# Altium PCB CL-HC-M-V2.1.PcbDoc (part 5 of 19) (continued)
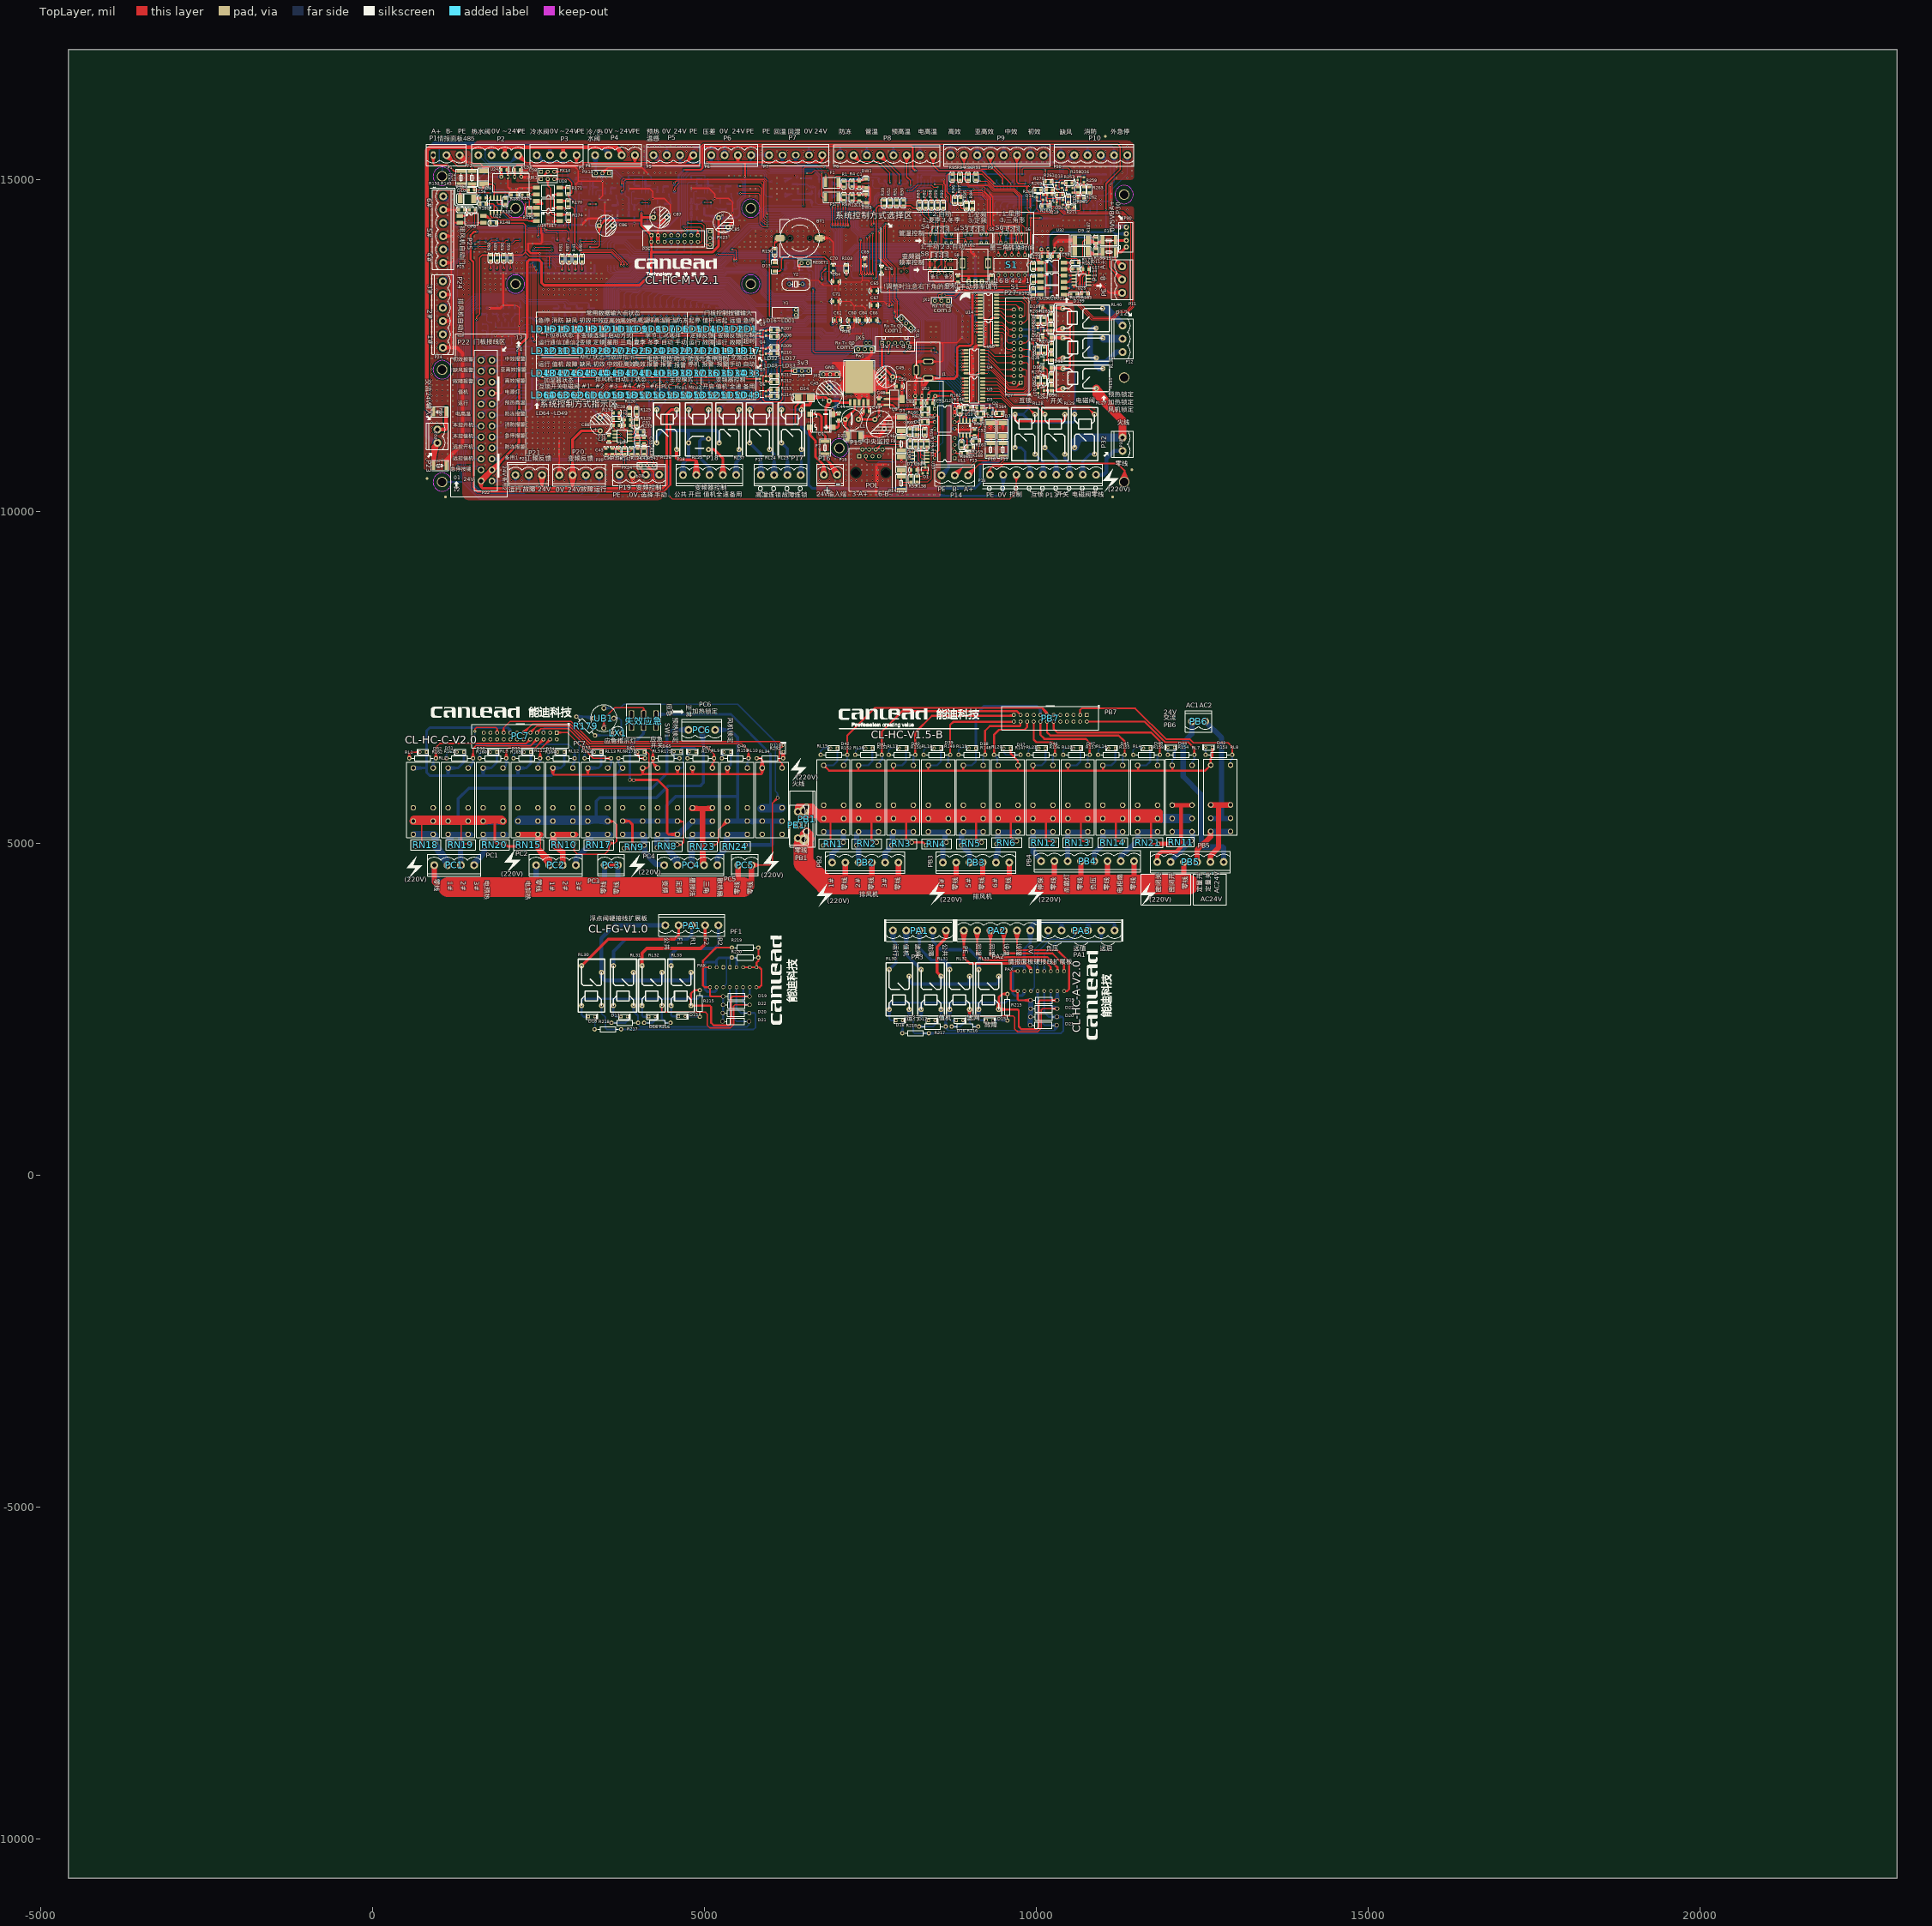
[diagram p0: TopLayer view]
## Nets (pads, with @x,y where several pads share a name; then routed paths per layer and width w, separated by ;. In a path a pad name is that pad's centre, name@x,y a point inside that pad or via, vN(x,y) a via of type N, cw(c..) or ccw(c..) an arc to the next point about the centre after c; other vN are vias at no path point) (continued)
3V<-远值使能: OP6.10 R152.1@1650.89,12557.35 U2.3 | length 1500
  BottomLayer w10: R152.1@1636.05,12550.1 1650.89,12502.35 ; R152.1@1650.89,12552.35 1650.89,12502.35 ; R152.1@1650.89,12557.35 1650.89,12495.44 1683.06,12463.27 1984.24,12463.27 2023.79,12502.81 2083.1,12502.81 2097.06,12516.78 ; R152.1@1665.72,12550.1 1650.89,12502.35 ; OP6.10@2089.4,12549.35 2097.06,12516.78 ; OP6.10@2089.43,12611.27 2099.37,12655.16 ; OP6.10@2097.06,12598.36 2097.06,12516.78 ; OP6.10@2099.37,12550.16 2097.06,12516.78 ; OP6.10@2099.37,12580.16 2099.37,12659.03 2116.35,12676.01 2266.15,12676.01 2273.79,12668.36 2362.38,12668.36 U2.3@2362.38,12670.5 ; OP6.10@2099.37,12610.16 2099.37,12655.16 ; OP6.10@2109.13,12547.98 2097.06,12516.78 ; OP6.10@2109.31,12611.27 2099.37,12655.16 ; U2.3@2335.79,12680.37 2292.36,12668.36 ; U2.3@2336.74,12660.52 2292.36,12668.36 ; U2.3@2337.38,12670.5 2292.36,12668.36
3V<-远起使能: OP6.12 R151.1@1648.79,12634.75 U2.4 | length 1643.6
  BottomLayer w10: R151.1@1648.79,12634.75 1693.07,12634.75 ; R151.1@1651.33,12619.96 1693.07,12634.75 ; R151.1@1651.33,12649.53 1693.07,12634.75 ; OP6.12@1989.39,12549.44 1997.45,12507.19 ; OP6.12@1989.39,12610.84 1997.45,12655.17 ; OP6.12@1989.5,12548.53 1997.06,12533.36 ; OP6.12@1997.06,12598.36 1997.06,12533.36 ; OP6.12@1999.37,12610.16 1997.45,12655.17 ; OP6.12@2008.43,12545.93 1997.06,12533.36 ; OP6.12@2009.24,12548.55 1997.45,12507.19 ; OP6.12@2009.25,12611.69 1997.45,12655.17 ; U2.4@2335.8,12730.37 2292.35,12718.36 ; U2.4@2336.74,12710.52 2292.35,12718.36 ; U2.4@2337.38,12720.5 2292.35,12718.36 ; U2.4@2362.38,12720.5 2362.38,12718.36 2251.26,12718.36 2227.53,12694.64 2016.59,12694.64 1997.45,12675.49 1997.45,12507.19 ; 1693.07,12634.75 1698.67,12629.14 1698.67,12520.36 1737.76,12481.27 1971.52,12481.27 1997.45,12507.19 ; 1997.06,12533.36 1999.37,12550.16 1997.45,12507.19
10V-面板-温度输入: F6.1 P26.16 PA2.2 PAX.16@10420.16,2775.27 | length 4940.7
  TopLayer w15: v1(4682.86,14286.91) 4934.06,14286.91 4967.71,14253.26 4967.71,14076.58 4954.24,14063.1 ; P26.16@4901.86,14063.1 4954.24,14063.1 ; P26.16@4906.5,14041.56 4954.24,14063.1 ; P26.16@4906.5,14084.63 4954.24,14063.1
  TopLayer w30: PA2.2@9667.11,3680.36 9710.68,3537.81 PA2.2@9754.26,3680.36 ; PA2.2@9710.68,3686.87 9710.68,3417.63 9736.41,3391.9 10319.23,3391.9 10496.09,3215.03 10496.09,2803.92 10467.45,2775.27 PAX.16@10420.16,2775.27
  BottomLayer w15: v1(4682.86,14286.91) 4682.86,15044.12 4762.09,15123.35 5893.76,15123.35 5934.86,15082.26 5934.86,15003.83 5964.73,14973.96 ; F6.1@6020.38,14957.99 5964.73,14973.96 ; F6.1@6020.38,14989.92 5964.73,14973.96 ; F6.1@6022.63,14973.96 5964.73,14973.96
10V-面板-湿度输入: F2.1 P26.15 PA2.3 PAX.15@10420.16,3075.27 | length 4661.6
  TopLayer w15: v1(4716.65,14252.06) 4885.98,14252.06 4901.86,14236.18 ; P26.15@4880.09,14166.42 4901.86,14236.18 ; P26.15@4901.86,14163.1 4901.86,14236.18 ; P26.15@4923.64,14166.42 4901.86,14236.18
  TopLayer w30: PA2.3@9467.11,3680.36 9510.68,3537.81 PA2.3@9554.26,3680.36 ; PA2.3@9510.68,3686.87 9510.68,3391.9 9559.93,3342.66 10243.94,3342.66 10420.16,3166.44 PAX.15@10420.16,3075.27
  BottomLayer w15: v1(4716.65,14252.06) 4716.65,15023.7 4791.3,15098.35 5884.34,15098.35 5908.12,15074.58 5908.12,14780.87 5942.23,14746.76 F2.1@6022.63,14746.76 ; F2.1@6020.74,14730.75 5954.01,14746.76 F2.1@6020.74,14762.77
24V: C19.2 C20.2 C37.2 C39.2 C44.1 C45.1 C85.1 C86.1 C87.1 C88.1 D1.3 D14.A D15.A D16.A D17.A D18.A D19.K D20.K D21.K D22.K D37.A D38.A D39.A D40.A D41.A D42.A D43.A D44.A D45.A D46.A D47.A D48.A D49.A D50.A D51.A D52.A D53.A D54.A D55.A D61.A D65.A D67.A D95.K D97.K D109.K P5.2 P6.2 P7.1 P20.3 P21.3 P22.22 P22.23 P26.1 P26.2 P27.15 pad.0@2209.06,11519.1 pad.0@12052.46,6167.9 PAX.1 PAX.2 PB7.15 PC7.15 Pw1.1 R219.2 R264.1 R272.1 R285.1 R292.1 RL1.1 RL2.1 RL3.1 RL4.1 RL5.2 RL6.2 RL7.1 RL8.1 RL9.1 RL10.1 RL11.1 RL12.1 RL13.1 RL14.1 RL15.1 RL16.1 RL17.1 RL18.1 RL19.1 RL20.2 RL21.1 RL22.1 RL23.1 RL24.1 RL25.1 RL26.1 RL27.2 RL28.2 RL29.1 RL30.1 RL31.1 RL32.1 RL33.1 RL34.2 RL35.1 RL36.1 RL37.1 RL40.1 U1.8 U3.9 U4.9 U5.8 U6.8 U7.8 U8.9 U14.9 U15.9 U25.9 U26.9 U27.9 | length 103256.9
  TopLayer w15: C88.1@3399.22,11210.96 3430.52,11132.61 ; C88.1@3413.73,11215.29 3430.52,11132.61 ; C88.1@3430.52,11216.98 3430.52,11078.68 3448.24,11060.96 C39.2@3560.43,11060.96 ; C88.1@3447.3,11215.29 3430.52,11132.61 ; 3452,11058.14 3649.97,11058.14 U7.8@3654.97,11063.14 ; C88.1@3461.81,11210.96 3430.52,11132.61 ; C39.2@3553.69,11073.34 3490.33,11058.14 ; C39.2@3554.23,11048.52 3490.43,11060.96 ; C39.2@3554.23,11073.4 3490.43,11060.96 ; C39.2@3554.77,11048.48 3490.33,11058.14 ; C39.2@3565.43,11060.96 U7.8@3630.51,11058.14 ; C39.2@3566.09,11048.48 U7.8@3630.51,11058.14 ; C39.2@3567.17,11073.34 U7.8@3630.51,11058.14 ; C39.2@3568.97,11072.91 U7.8@3626.97,11063.14 ; C39.2@3569.51,11060.78 U7.8@3626.97,11063.14 ; C39.2@3569.74,11058.14 U7.8@3626.97,11063.14 ; C39.2@3570.56,11049.15 U7.8@3626.97,11063.14 ; U3.9@9169.27,11659.99 9120.6,11659.99 ; U4.9@9169.27,12083.43 9120.84,12083.43 ; U3.9@9194.27,11659.99 9120.6,11659.99 ; U4.9@9219.27,12083.43 v1(9278.94,12083.43) ; 3490.33,11058.14 3555.43,11060.96 3490.43,11060.96 ; 9120.6,11659.99 9107.62,11672.97 9107.62,12070.2 9120.84,12083.43 ; 9120.84,12083.43 U4.9@9194.27,12083.43 v1(9278.94,12083.43) ; v1(9278.94,12083.43) 9221.44,12083.43 v1(9278.94,12083.43)
  TopLayer w20: v1(3277.81,13985.22) 3395.8,13985.22 3417.44,14006.86 C86.1@3417.44,14306.66 ; C86.1@3388.39,14302.32 3417.44,14207.29 C86.1@3446.49,14302.32 ; RL6.2@4069.48,6135.81 4141.38,6135.81 ; RL6.2@4070.37,6124.51 4141.38,6135.81 ; RL6.2@4070.37,6147.11 4141.38,6135.81 ; RL6.2@4076.31,6105.23 4141.38,6135.81 ; RL6.2@4076.31,6166.4 4141.38,6135.81 ; D61.A@4094.9,6375.37 4135.68,6375.37 ; D61.A@4097.18,6361.94 4135.68,6375.37 ; D61.A@4097.18,6388.8 4135.68,6375.37 ; RL5.2@4564.5,6130.3 4595.35,6046.69 ; RL5.2@4584.04,6135.09 4595.35,6046.69 ; 4592.71,6044.05 4595.35,6046.69 ; RL5.2@4595.35,6135.81 4595.35,6046.69 ; RL5.2@4606.67,6135.09 4595.35,6046.69 ; RL5.2@4626.2,6130.3 4595.35,6046.69 ; RL9.1@4790.37,6130.36 4821.23,6045.76 ; RL9.1@4809.91,6135.1 4821.23,6045.76 ; RL9.1@4821.23,6135.81 4821.23,6045.76 ; 4822.94,6044.05 4821.23,6045.76 ; RL9.1@4832.54,6135.1 4821.23,6045.76 ; RL9.1@4852.09,6130.36 4821.23,6045.76 ; 4135.68,6375.37 4163.57,6347.48 4163.57,6158 4141.38,6135.81
  TopLayer w30: RL12.1@2691.69,6131.87 2717.73,6047.81 ; RL12.1@2717.73,6135.81 2717.73,6047.81 ; RL12.1@2743.77,6131.87 2717.73,6047.81 ; RL13.1@3217.54,6131.99 3243.6,6045.04 ; RL13.1@3243.6,6135.81 3243.6,6045.04 ; RL13.1@3269.66,6131.99 3243.6,6045.04 ; RL6.2@4043.49,6131.54 4069.48,6054.5 ; RL6.2@4069.48,6135.81 4069.48,6054.5 ; RL6.2@4095.47,6131.54 4069.48,6054.5 ; v1@5036.55,15261.31 5494.51,15261.31 ; v1(5040.78,15259.91) 5143.33,15261.31 ; PAX.1@5084.49,3132.67 4995.81,3132.67 4980.73,3117.59 ; D19.K@5281.18,2693.58 5098.5,2693.58 5084.49,2707.59 PAX.2@5084.49,2832.67 5005.65,2832.67 4980.73,2857.59 4980.73,3117.59 ; RL10.1@5321.05,6131.95 5347.1,6045.88 ; RL10.1@5347.1,6135.81 5347.1,6045.88 ; RL10.1@5373.15,6131.95 5347.1,6045.88 ; R219.2@5414.9,3429.51 5176.52,3429.51 4980.73,3233.72 4980.73,3117.59 ; P6.2@5460.98,15359.52 5503.92,15270.72 ; P6.2@5503.92,15369.36 5503.92,15270.72 ; P6.2@5546.86,15359.52 5503.92,15270.72 ; v1(5610.86,15050.57) 5610.86,15259.44 5612.73,15261.31 ; R292.1@5790.99,6264.39 5844.92,6281.68 ; R292.1@5790.99,6298.97 5844.92,6281.68 ; RL34.2@5845.43,6138.72 5871.6,6255 ; RL34.2@5845.64,6131.36 5871.6,6057.85 ; RL34.2@5897.56,6131.36 5871.6,6057.85 ; RL34.2@5897.78,6138.72 5871.6,6255 ; P7.1@6733.86,15359.05 6776.36,15287.11 ; P7.1@6776.36,15370.67 6776.36,15287.11 ; RL15.1@6798.3,6175.17 6876.91,6096.56 12546.04,6096.56 RL8.1@12628.39,6178.91 ; P7.1@6818.86,15359.05 6776.36,15287.11 ; 7321.76,6099.53 RL16.1@7321.76,6167.9 ; 7847.47,6099.53 RL17.1@7847.47,6167.9 ; 8373.19,6099.53 RL18.1@8373.19,6167.9 ; 8898.9,6099.53 RL19.1@8898.9,6167.9 ; 9310.86,12616.5 v1(9328.96,12504.98) ; U14.9@9378.64,12917.5 9329.67,12917.5 ; U14.9@9403.64,12917.5 9329.67,12917.5 ; D37.A@9613.41,6434.7 9613.41,6354.7 9724.61,6243.5 9724.61,6099.53 ; RL28.2@9657.48,11459.72 9681.53,11388.36 ; RL28.2@9681.53,11463.66 9681.53,11388.36 ; RL28.2@9705.58,11459.72 9681.53,11388.36 ; PAX.1@9720.16,3075.27 9631.49,3075.27 9616.41,3060.19 9616.41,2800.19 9641.33,2775.27 ; D19.K@9915.74,2619.72 9795.36,2636.18 D19.K@9915.74,2652.64 ; D19.K@9916.86,2636.18 9734.17,2636.18 9720.16,2650.19 PAX.2@9720.16,2775.27 ; 9954.59,6099.53 RL21.1@9954.59,6167.9 ; D95.K@10229.38,12156.36 R264.1@10228.39,12070.36 10228.39,12160.38 D95.K@10229.38,12161.36 10481.38,12161.36 ; RL40.1@10396.84,13037.33 10270.57,13067.82 ; RL36.1@10398.01,12621.37 D97.K@10229.38,12621.37 D97.K@10228.39,12620.39 ; RL40.1@10399.22,13085.8 10270.57,13067.82 ; RL35.1@10400.89,12130.88 10274.69,12161.36 ; RL36.1@10400.89,12590.89 10274.63,12621.37 ; RL35.1@10403.27,12179.34 10274.69,12161.36 ; RL36.1@10403.27,12639.36 10274.63,12621.37 ; RL40.1@10404.88,13037.52 10465.28,13061.46 ; RL40.1@10404.88,13085.39 10465.28,13061.46 ; RL35.1@10406.21,12179.3 10481.38,12161.36 ; RL36.1@10407.29,12590.82 10505.74,12615.01 ; RL36.1@10407.29,12639.2 10505.74,12615.01 ; RL29.1@10407.54,11459.38 10431.53,11394.36 ; RL35.1@10410.18,12131.33 10481.38,12161.36 ; RL29.1@10431.53,11463.66 10431.53,11394.36 ; RL29.1@10455.52,11459.38 10431.53,11394.36 ; 10480.3,6099.53 RL22.1@10480.3,6167.9 ; 11006.02,6099.53 RL14.1@11006.02,6167.9 ; 11534.5,6104.29 RL4.1@11534.5,6172.66 ; 12052.46,6099.53 pad.0@12052.46,6167.9 ; RL8.1@12629.74,6177.56 RL8.1@12628.39,6178.91 ; D43.A@12653.41,6444.7 12653.41,6304.7 12628.39,6279.69 RL8.1@12628.39,6178.91 ; 2717.73,6047.81 2732.84,6032.69 3255.95,6032.69 ; 3243.6,6045.04 3255.95,6032.69 ; 3255.95,6032.69 4047.67,6032.69 4059.02,6044.05 ; 4059.02,6044.05 4592.71,6044.05 4822.94,6044.05 5345.27,6044.05 ; 4059.02,6044.05 4069.48,6054.5 ; 5345.27,6044.05 5347.1,6045.88 ; 5345.27,6044.05 5857.81,6044.05 5871.6,6057.85 ; 5494.51,15261.31 5503.92,15270.72 ; 5494.51,15261.31 5612.73,15261.31 ; 5612.73,15261.31 6750.56,15261.31 6776.36,15287.11 ; 5844.92,6281.68 R292.1@5788.29,6281.68 5844.92,6281.68 ; 5844.92,6281.68 5871.6,6255 ; 5871.6,6057.85 RL34.2@5871.6,6135.81 5871.6,6255 ; 9310.86,12522.49 9328.66,12504.68 v1@9328.81,12504.54 ; 9310.86,12522.49 9310.86,12898.69 9329.67,12917.5 ; 9310.86,12522.49 v1(9328.96,12504.98) ; 9310.86,12522.49 v1(9328.96,12504.98) ; v1@9328.81,12504.54 U15.9@9403.64,12504.54 v1(9328.96,12504.98) ; v1@9328.81,12504.54 9378.64,12504.54 v1(9328.96,12504.98) ; 9641.33,2775.27 PAX.2@9720.16,2775.27 ; 9641.33,2775.27 PAX.2@9720.16,2775.27 ; 9681.53,11388.36 9711.53,11358.36 10395.53,11358.36 10431.53,11394.36 ; R285.1@10222.34,12974.82 R285.1@10224.34,12976.82 ; R285.1@10222.34,12974.82 D109.K@10224.34,13066.83 ; R285.1@10222.34,12974.82 10225.32,13062.82 R285.1@10224.34,12976.82 ; R285.1@10224.34,12976.82 D109.K@10224.34,13066.83 ; D109.K@10224.34,13066.83 D109.K@10225.32,13067.82 10393.95,13067.82 RL40.1@10400.31,13061.46 ; R272.1@10226.39,12528.37 R272.1@10228.39,12530.37 ; R272.1@10226.39,12528.37 D97.K@10228.39,12620.39 ; R272.1@10226.39,12528.37 10229.38,12616.37 R272.1@10228.39,12530.37 ; R272.1@10228.39,12530.37 D97.K@10228.39,12620.39 ; 10270.57,13067.82 RL40.1@10400.31,13061.46 ; 10274.63,12621.37 RL36.1@10404.37,12615.01 10505.74,12615.01 ; 10274.69,12161.36 RL35.1@10404.37,12155 10481.38,12161.36 ; RL40.1@10400.31,13061.46 10465.28,13061.46 ; 10465.28,13061.46 10510.38,13016.36 10510.38,12610.38 ; 10481.38,12161.36 10510.38,12190.36 10510.38,12610.38 ; 10505.74,12615.01 10510.38,12610.38
  TopLayer w40: P22.23@1605.72,10456.27 1635.3,10371.51 ; P22.23@1613.28,10481.66 1748.69,10605.97 ; P22.23@1618.79,10486.33 1779.99,10574.68 ; P22.23@1655.67,10439.26 1779.99,10574.68 ; P22.23@1660.35,10444.77 1748.69,10605.97 ; P22.23@1664.88,10456.27 1635.3,10371.51 ; P22.22@1777.84,10646.12 P22.23@1665.8,10491.79 ; P22.22@1781.18,10649.46 1935.51,10761.49 P22.22@1823.47,10607.16 ; P22.22@1820.14,10603.82 P22.23@1665.8,10491.79 ; 2207.56,11374.06 pad.0@2209.06,11519.1 2209.06,12500.15 2330.19,12621.28 2330.19,13757.86 2366.08,13793.76 2506.65,13793.76 2547.04,13753.37 2547.04,13446.02 2585.17,13407.9 4023.09,13407.9 4201.86,13586.67 4201.86,13907.6 ; pad.0@2209.06,11519.1 2207.56,11517.6 2207.56,11033.54 P22.22@1800.66,10626.64 ; P21.3@2516.03,10544.57 2554.81,10384.46 ; P21.3@2554.81,10549.2 2554.81,10384.46 ; P21.3@2593.59,10544.57 2554.81,10384.46 ; P20.3@2975.99,10553.46 3014.81,10728.25 P20.3@3053.63,10553.46 ; P20.3@2976.02,10544.64 3014.81,10382.08 ; P20.3@3053.59,10544.64 3014.81,10382.08 ; C86.1@3417.44,14306.66 3499.68,14388.9 4050.14,14388.9 ; C88.1@3430.52,11216.98 3149.21,11216.98 3014.81,11082.57 P20.3@3014.81,10549.2 3014.81,10382.08 ; C87.1@4232.38,14431.89 4053.88,14431.89 4050.14,14435.63 ; RL26.1@4582.76,11535.04 4499.05,11535.04 4434.24,11470.22 4434.24,10410.22 4372.38,10348.37 3048.52,10348.37 ; C85.1@5216.48,14427.22 5216.48,14003.86 5120.22,13907.6 4201.86,13907.6 ; D14.A@6568.5,11715.81 6598.18,11616.35 ; D14.A@6600.83,11690.26 6768.18,11720.15 D14.A@6600.83,11750.03 ; D14.A@6627.87,11715.81 6598.18,11616.35 ; D1.3@6931.83,11246.79 6837.38,11269.93 ; D1.3@6931.83,11293.07 6837.38,11269.93 ; D1.3@6938.43,11246.94 7005.82,11269.93 ; D1.3@6938.43,11292.93 7005.82,11269.93 ; C44.1@7022.52,11382.45 7022.52,11286.63 7005.82,11269.93 ; 7056.82,11642.84 Pw1.1@7197.88,11642.84 7047.8,11642.84 7024.03,11666.61 C45.1@6882.38,11666.61 ; 1635.3,10371.51 1658.45,10348.37 2590.9,10348.37 ; 1635.3,10371.51 P22.23@1635.3,10461.29 ; 1635.3,10371.51 P22.23@1635.3,10461.29 ; P22.23@1635.3,10461.29 P22.22@1800.66,10626.64 ; P22.23@1635.3,10461.29 1779.99,10574.68 ; P22.23@1635.3,10461.29 1748.69,10605.97 ; P22.23@1635.3,10461.29 P22.22@1770.16,10596.14 ; P22.23@1665.8,10491.79 P22.22@1800.66,10626.64 ; P22.22@1770.16,10596.14 1615.82,10484.1 P22.22@1770.16,10596.14 ; P22.22@1770.16,10596.14 1658.12,10441.81 P22.22@1770.16,10596.14 ; 2554.81,10384.46 2590.9,10348.37 ; 2590.9,10348.37 3048.52,10348.37 ; 3014.81,10382.08 3048.52,10348.37 ; 4050.14,14388.9 4050.14,14314.82 P26.1@4201.86,14163.1 P26.2@4201.86,14063.1 4201.86,13907.6 ; 4050.14,14388.9 4050.14,14435.63 ; 4050.14,14435.63 v1(4050.13,14493.58) 4050.14,14435.63 ; RL23.1@6462.76,11535.04 6462.76,11588.37 ; RL23.1@6462.76,11535.04 6480.44,11606.04 ; RL23.1@6462.76,11535.04 6462.76,11588.37 ; 6462.76,11588.37 6480.44,11606.04 ; 6480.44,11606.04 6587.88,11606.04 6598.18,11616.35 ; 6598.18,11616.35 D14.A@6598.18,11720.15 6828.84,11720.15 ; 6828.27,11558 6828.27,11279.04 6837.38,11269.93 ; 6828.27,11558 6882.38,11612.11 ; 6828.27,11558 C45.1@6882.38,11666.61 ; 6828.84,11720.15 C45.1@6882.38,11666.61 ; 6828.84,11720.15 C45.1@6882.38,11666.61 ; 6837.38,11269.93 D1.3@6934.62,11269.93 7005.82,11269.93 ; 6882.38,11612.11 C45.1@6882.38,11666.61 ; 6882.38,11612.11 C45.1@6882.38,11666.61
  BottomLayer w15: C19.2@3250.3,14423.91 3262.74,14487.71 ; C19.2@3262.74,14417.71 3262.74,14548.68 U1.8@3267.74,14553.68 ; C19.2@3262.74,14422.71 3262.74,14487.71 ; 3262.74,14468.5 U1.8@3267.74,14525.68 ; C19.2@3275.18,14423.91 3262.74,14487.71 ; v1@4056.15,14489.36 4061.15,14546.54 v1(4050.13,14493.58) ; U5.8@4056.15,14552.05 v1(4050.13,14493.58) ; U5.8@4061.15,14574.54 4056.15,14569.54 C20.2@4056.15,14438.57 v1(4050.13,14493.58) ; U6.8@4996.86,14574.25 U6.8@5001.86,14579.25 ; v1(9278.94,12083.43) 9278.94,12486.59 9297.34,12504.98 v1(9328.96,12504.98) 9477.18,12504.98 9569.41,12597.21 9719.35,12597.21 ; P27.15@9748.07,12656.64 9719.35,12597.21 ; P27.15@9778.79,12625.93 9719.35,12597.21 ; v1(4050.13,14493.58) 4056.15,14508.57 ; v1(4050.13,14493.58) 4043.71,14444.77 4056.15,14508.57 ; v1(4050.13,14493.58) 4068.6,14444.77 4056.15,14508.57 ; v1(4050.13,14493.58) 4056.15,14508.57 ; v1(4050.13,14493.58) 4056.15,14508.57 ; v1(4050.13,14493.58) 4056.15,14443.57 4056.15,14508.57 ; 9719.35,12597.21 P27.15@9766.03,12643.88 9719.35,12597.21
  BottomLayer w20: C19.2@3262.74,14412.71 3267.74,14332.44 ; C19.2@3262.74,14422.71 3267.74,14503.04 ; 3267.74,14453.68 U1.8@3267.74,14525.68 ; U1.8@3267.74,14553.68 3267.74,14325.05 3286.14,14306.66 C86.1@3417.44,14306.66 ; U26.9@3342.74,13960.04 3292.92,13960.04 ; C86.1@3413.1,14277.61 3318.07,14306.66 C86.1@3413.1,14335.7 ; RL5.2@4595.35,6135.81 4664.5,6135.81 ; RL5.2@4596.28,6124.51 4664.5,6135.81 ; RL5.2@4596.28,6147.11 4664.5,6135.81 ; RL5.2@4602.45,6105.29 4664.5,6135.81 ; RL5.2@4602.45,6166.33 4664.5,6135.81 ; D65.A@4631.41,6382.22 4644.9,6430.37 ; D65.A@4636.53,6369.62 4683.94,6341.33 ; D65.A@4655.65,6388.74 4683.94,6341.33 ; D65.A@4658.4,6382.22 4644.9,6430.37 ; D67.A@4860.75,6383.62 4874.17,6421.1 ; D67.A@4874.17,6381.29 4874.17,6421.1 ; D67.A@4887.59,6383.62 4874.17,6421.1 ; 6210.95,11718.83 U27.9@6210.95,11793.83 ; U27.9@6210.95,11818.83 6210.95,11620.62 6296.53,11535.04 RL23.1@6462.76,11535.04 ; RL23.1@6458.42,11505.99 6363.39,11535.04 RL23.1@6458.42,11564.08 ; 3292.92,13960.04 3277.81,13975.15 v1(3277.81,13985.22) 3292.92,13960.04 ; 4644.9,6430.37 4654.9,6440.37 4854.9,6440.37 4874.17,6421.1 ; 4644.9,6430.37 D65.A@4644.9,6380.37 4683.94,6341.33 ; 4664.5,6135.81 4683.94,6155.25 4683.94,6341.33
  BottomLayer w30: U25.9@2307.38,11616.61 2397.36,11616.61 ; U8.9@2307.38,12086.08 2391.42,12086.08 ; U25.9@2332.38,11616.61 2397.36,11616.61 ; U8.9@2332.38,12086.08 2391.42,12086.08 ; 2399.13,11565.33 2397.36,11616.61 ; 2404.1,12073.4 2391.42,12086.08 ; D18.A@3250.73,2388.11 3180.22,2388.11 3150,2418.32 RL30.1@3150,2555.46 3150,2626.86 3180.73,2657.59 3632.87,2657.59 ; D17.A@3740.73,2388.11 3664.11,2388.11 3630.73,2421.48 RL31.1@3630.73,2555.46 3630.73,2655.46 3632.87,2657.59 ; 4060.41,2655.46 RL32.1@4060.41,2555.46 4060.41,2407.92 4080.73,2387.59 D16.A@4160.73,2387.59 ; 4499.12,2655.46 RL33.1@4499.12,2555.46 4499.12,2413.09 4520.73,2391.48 D15.A@4598.81,2391.48 ; P5.2@4591.05,15360.19 4633.84,15278.07 ; P5.2@4633.84,15370.67 4633.84,15278.07 ; P5.2@4676.63,15360.19 4633.84,15278.07 ; 4938.28,15259.91 v1(5040.78,15259.91) 4652,15259.91 4633.84,15278.07 ; U6.8@4996.86,14574.25 4996.86,14478.28 ; U6.8@5001.86,14551.25 4996.86,14478.28 ; 5161.9,14422.12 C37.2@5054.19,14458.06 ; 5163.71,14438.19 C37.2@5054.19,14458.06 ; 5164.18,14453.83 C37.2@5054.19,14458.06 ; 5164.19,14458.06 C37.2@5054.19,14458.06 ; C85.1@5209.61,14403.83 C37.2@5068.19,14458.06 ; C85.1@5218.52,14402.93 5362.15,14427.22 C85.1@5218.52,14451.5 ; C85.1@5219.5,14451.4 C37.2@5068.19,14458.06 ; D21.K@5272.98,2317.9 5281.18,2326.09 D19.K@5281.18,2693.58 4936.72,2693.58 4900.73,2657.59 3632.87,2657.59 ; RL10.1@5332.27,6157.58 5397.1,6185.81 ; RL10.1@5347.1,6135.81 5397.1,6185.81 ; RL10.1@5368.87,6120.98 5397.1,6185.81 ; 5397.1,6261.75 D49.A@5397.1,6375.37 5397.1,6185.81 ; 5610.86,14948.07 v1(5610.86,15050.57) 5610.86,14745.9 5531.62,14666.66 5531.62,14470.4 5488.44,14427.22 C85.1@5216.48,14427.22 ; RL15.1@6798.3,6175.17 6942.28,6175.17 7003.41,6236.29 D42.A@7003.41,6434.7 ; RL16.1@7323.94,6175.17 7467.92,6175.17 7529.04,6236.29 D41.A@7529.04,6434.7 ; RL30.1@7761.42,2495.76 7785.68,2368.69 RL30.1@7809.94,2495.76 ; RL30.1@7761.67,2502.22 7785.68,2569.46 ; RL30.1@7809.69,2502.22 7785.68,2569.46 ; RL17.1@7849.57,6175.17 7979.5,6175.17 8039.04,6234.7 D40.A@8039.04,6434.7 ; D18.A@7886.41,2330.71 7815.89,2330.71 7785.68,2360.92 RL30.1@7785.68,2498.06 7785.68,2569.46 ; RL31.1@8242.15,2495.76 8266.41,2368.69 RL31.1@8290.67,2495.76 ; RL31.1@8242.22,2501.03 8266.41,2598.06 ; RL31.1@8290.6,2501.03 8266.41,2598.06 ; RL18.1@8375.2,6175.17 8505.14,6175.17 8564.67,6234.7 D39.A@8564.67,6434.7 ; D17.A@8376.41,2330.71 8299.79,2330.71 8266.41,2364.08 RL31.1@8266.41,2498.06 8266.41,2598.06 ; RL32.1@8671.82,2495.76 8696.08,2368.69 ; RL32.1@8671.89,2501.03 8696.08,2598.06 ; RL32.1@8720.27,2501.03 8696.08,2598.06 ; RL32.1@8720.34,2495.76 8696.08,2368.69 ; RL19.1@8900.83,6175.17 9030.77,6175.17 9090.3,6234.7 D38.A@9090.3,6434.7 ; RL33.1@9110.54,2495.76 9134.8,2368.69 RL33.1@9159.06,2495.76 ; RL33.1@9110.61,2501.03 9134.8,2598.06 ; RL33.1@9158.99,2501.03 9134.8,2598.06 ; D15.A@9234.48,2334.08 9156.41,2334.08 ; D15.A@9246.41,2334.08 9156.41,2334.08 ; P27.15@9766.03,12643.88 9863.3,12643.88 9883.63,12623.56 9883.63,11550.14 9797.16,11463.66 ; D21.K@9884.34,2258.96 D20.K@9888.75,2382.37 ; D21.K@9884.5,2263.68 D20.K@9912.89,2385.72 ; D21.K@9884.59,2264.29 D20.K@9916.86,2390.72 ; D21.K@9885.55,2268.24 D20.K@9937.2,2384.01 ; D22.K@9892.54,2507.74 D20.K@9912.89,2385.72 ; D22.K@9892.6,2507.02 D19.K@9892.6,2633.88 ; D22.K@9892.6,2507.07 9916.86,2380 D22.K@9941.12,2507.07 ; D22.K@9892.6,2511.71 D19.K@9916.86,2636.18 ; D22.K@9892.7,2512.54 D20.K@9888.71,2388.76 ; D22.K@9893.33,2503.01 D20.K@9937.21,2387.27 ; D22.K@9893.5,2516.3 D19.K@9941.12,2633.88 ; D19.K@9914.56,2611.92 9787.49,2636.18 D19.K@9914.56,2660.44 ; D21.K@9932.21,2266.78 D20.K@9888.75,2382.37 ; D21.K@9932.82,2257.32 D20.K@9937.2,2384.01 ; D21.K@9932.98,2262.05 D20.K@9912.89,2385.72 ; D21.K@9933.02,2261.24 D20.K@9916.86,2390.72 ; D22.K@9939.93,2501.52 D20.K@9888.71,2388.76 ; D22.K@9940.22,2516.3 D19.K@9892.6,2633.88 ; D22.K@9941.02,2506.19 D20.K@9912.89,2385.72 ; D22.K@9941.11,2507.02 D19.K@9941.12,2633.88 ; D22.K@9941.11,2511.71 D19.K@9916.86,2636.18 ; D22.K@9941.17,2510.99 D20.K@9937.21,2387.27 ; RL21.1@9952.1,6175.17 10082.03,6175.17 10141.57,6234.7 D46.A@10141.57,6434.7 ; RL35.1@10404.37,12155 10531.74,12155 ; RL35.1@10406.7,12130.74 10531.74,12155 ; RL35.1@10406.7,12179.26 10531.74,12155 ; RL22.1@10477.73,6175.17 10607.67,6175.17 10667.2,6234.7 D47.A@10667.2,6434.7 ; RL27.2@10555.34,11466.22 10579.6,11593.29 RL27.2@10603.86,11466.22 ; RL27.2@10579.6,11463.92 10579.6,12107.13 10531.74,12155 ; RL14.1@11003.36,6175.17 11133.3,6175.17 11192.83,6234.7 D45.A@11192.83,6434.7 ; RL4.1@11528.99,6175.17 11658.93,6175.17 11718.47,6234.7 D48.A@11718.47,6434.7 ; RL7.1@12049.02,6176.29 12049.02,6250.31 12083.41,6284.7 D44.A@12083.41,6444.7 ; 4996.86,14478.28 5017.09,14458.06 ; 4996.86,14478.28 C37.2@5044.19,14458.06 ; 5017.09,14458.06 C37.2@5049.19,14458.06 5185.64,14458.06 C85.1@5216.48,14427.22 ; 5017.09,14458.06 C37.2@5044.19,14458.06 ; 5017.09,14458.06 C37.2@5044.19,14458.06 ; C37.2@5068.19,14458.06 C85.1@5216.48,14427.22 ; 7785.68,2569.46 7816.41,2600.19 8268.54,2600.19 ; 8266.41,2598.06 8268.54,2600.19 ; 8268.54,2600.19 9536.41,2600.19 9572.4,2636.18 D19.K@9916.86,2636.18 ; 8696.08,2368.69 RL32.1@8696.08,2498.06 ; RL32.1@8696.08,2498.06 8696.08,2598.06 ; RL32.1@8696.08,2498.06 8696.08,2350.52 8716.41,2330.19 ; 8716.41,2330.19 D16.A@8796.41,2330.19 8716.41,2330.19 ; 9134.8,2598.06 RL33.1@9134.8,2498.06 9134.8,2355.69 9156.41,2334.08 ; D20.K@9888.75,2382.37 D21.K@9916.86,2268.69 ; D20.K@9888.75,2382.37 D21.K@9908.66,2260.5 ; D20.K@9888.71,2388.76 D22.K@9916.86,2515.23 ; D20.K@9888.71,2388.76 D22.K@9916.86,2509.37 ; D19.K@9892.6,2633.88 9916.86,2506.81 D19.K@9941.12,2633.88 ; D19.K@9892.6,2633.88 D22.K@9916.86,2509.37 ; D21.K@9908.66,2260.5 D21.K@9916.86,2268.69 ; D21.K@9908.66,2260.5 D20.K@9912.89,2385.72 ; D21.K@9908.66,2260.5 D20.K@9916.86,2390.72 ; D21.K@9908.66,2260.5 D20.K@9937.2,2384.01 ; D20.K@9912.89,2385.72 D22.K@9916.86,2515.23 ; D20.K@9912.89,2385.72 D21.K@9916.86,2268.69 ; D20.K@9912.89,2385.72 D22.K@9916.86,2509.37 ; D21.K@9916.86,2268.69 D19.K@9916.86,2636.18 ; D21.K@9916.86,2268.69 D20.K@9937.2,2384.01 ; D22.K@9916.86,2509.37 D19.K@9941.12,2633.88 ; D22.K@9916.86,2509.37 D20.K@9937.21,2387.27 ; D22.K@9916.86,2515.23 D20.K@9937.21,2387.27
  BottomLayer w40: RL1.1@614.23,6135.81 814.46,6135.81 814.9,6135.37 ; RL1.1@615.65,6114.52 775.57,6135.81 RL1.1@615.65,6157.1 ; RL2.1@1118.87,6133.78 1140.11,6023.87 ; RL2.1@1141.62,6114.53 1290.34,6135.81 ; RL2.1@1141.62,6157.1 1290.34,6135.81 ; RL2.1@1161.35,6133.78 1140.11,6023.87 ; D51.A@1374.9,6375.37 1374.9,6220.37 1290.34,6135.81 ; RL3.1@1644.73,6133.84 1665.98,6020.27 ; RL3.1@1667.81,6114.55 1790.34,6135.81 ; RL3.1@1667.81,6157.07 1790.34,6135.81 ; RL3.1@1687.23,6133.84 1665.98,6020.27 ; D50.A@1874.9,6375.37 1874.9,6220.37 1790.34,6135.81 ; RL11.1@2170.62,6133.75 2191.86,6025.5 ; RL11.1@2193.67,6114.55 2317.69,6135.81 ; RL11.1@2193.67,6157.07 2317.69,6135.81 ; pad.0@2209.06,11519.1 2352.89,11519.09 ; pad.0@2209.06,11519.1 2352.89,11519.09 ; RL11.1@2213.09,6133.75 2191.86,6025.5 ; D55.A@2384.9,6375.37 2384.9,6203.02 2317.69,6135.81 ; 2404.1,12073.4 2404.1,11570.3 2399.13,11565.33 2352.89,11519.09 ; RL12.1@2696.52,6133.46 2717.73,6038.83 ; RL12.1@2719.63,6114.56 2837.69,6135.81 ; RL12.1@2719.63,6157.06 2837.69,6135.81 ; RL12.1@2738.94,6133.46 2717.73,6038.83 ; D54.A@2890.54,6375.37 2890.54,6188.66 2837.69,6135.81 ; RL13.1@3243.6,6135.81 3405.34,6135.81 3444.9,6175.37 D53.A@3444.9,6375.37 ; RL13.1@3245.02,6114.52 3404.94,6135.81 RL13.1@3245.02,6157.1 ; RL26.1@4582.76,11535.04 4582.76,11457.47 4629.06,11411.17 5072.38,11411.17 ; RL25.1@5062.76,11535.04 5062.76,11420.8 5072.38,11411.17 ; 5522.76,11420.8 RL37.1@5522.76,11535.04 ; 5982.76,11420.8 RL24.1@5982.76,11535.04 ; RL23.1@6462.76,11535.04 6462.76,11445.75 ; D38.A@9090.3,6434.7 9090.3,6944.7 9209.9,7064.3 10013.81,7064.3 10063.41,7014.7 PB7.15@10063.41,6934.7 ; RL27.2@10579.6,11463.92 10579.6,11364.34 10556.88,11341.62 9919.2,11341.62 9797.16,11463.66 RL28.2@9681.53,11463.66 ; 814.9,6135.37 814.9,6067.3 862.46,6019.74 1135.98,6019.74 ; 814.9,6135.37 D52.A@814.9,6375.37 814.9,6695.37 864.25,6744.72 2042.78,6744.72 ; 1135.98,6019.74 1665.45,6019.74 ; 1135.98,6019.74 1140.11,6023.87 ; 1140.11,6023.87 RL2.1@1140.11,6135.81 1290.34,6135.81 ; 1665.45,6019.74 2197.62,6019.74 ; 1665.45,6019.74 1665.98,6020.27 ; 1665.98,6020.27 RL3.1@1665.98,6135.81 1790.34,6135.81 ; 2042.78,6744.72 PC7.15@2077.25,6666.95 ; 2042.78,6744.72 2077.25,6710.25 ; PC7.15@2077.25,6666.95 2077.25,6710.25 ; PC7.15@2077.25,6666.95 2077.25,6710.25 ; PC7.15@2077.25,6666.95 2077.25,6710.25 ; 2191.86,6025.5 2197.62,6019.74 ; 2191.86,6025.5 RL11.1@2191.86,6135.81 2317.69,6135.81 ; 2197.62,6019.74 2698.64,6019.74 2717.73,6038.83 ; 2717.73,6038.83 RL12.1@2717.73,6135.81 2837.69,6135.81 ; 5072.38,11411.17 6428.19,11411.17 ; 6428.19,11411.17 6462.76,11445.75 ; 6428.19,11411.17 6462.76,11376.6 ; 6462.76,11376.6 6462.76,11267.13 6570.09,11159.8 6570.09,10403.1 6625,10348.19 9076.02,10348.19 9155.05,10427.23 9155.05,10690.76 9202.48,10738.2 9409.69,10738.2 9567.59,10896.1 9567.59,11381.31 ; 6462.76,11376.6 6462.76,11445.75 ; 9567.59,11381.31 9649.95,11463.66 RL28.2@9681.53,11463.66 ; 9567.59,11381.31 RL28.2@9681.53,11463.66